# KiCad board traffic_paradise.kicad_pcb (continued)
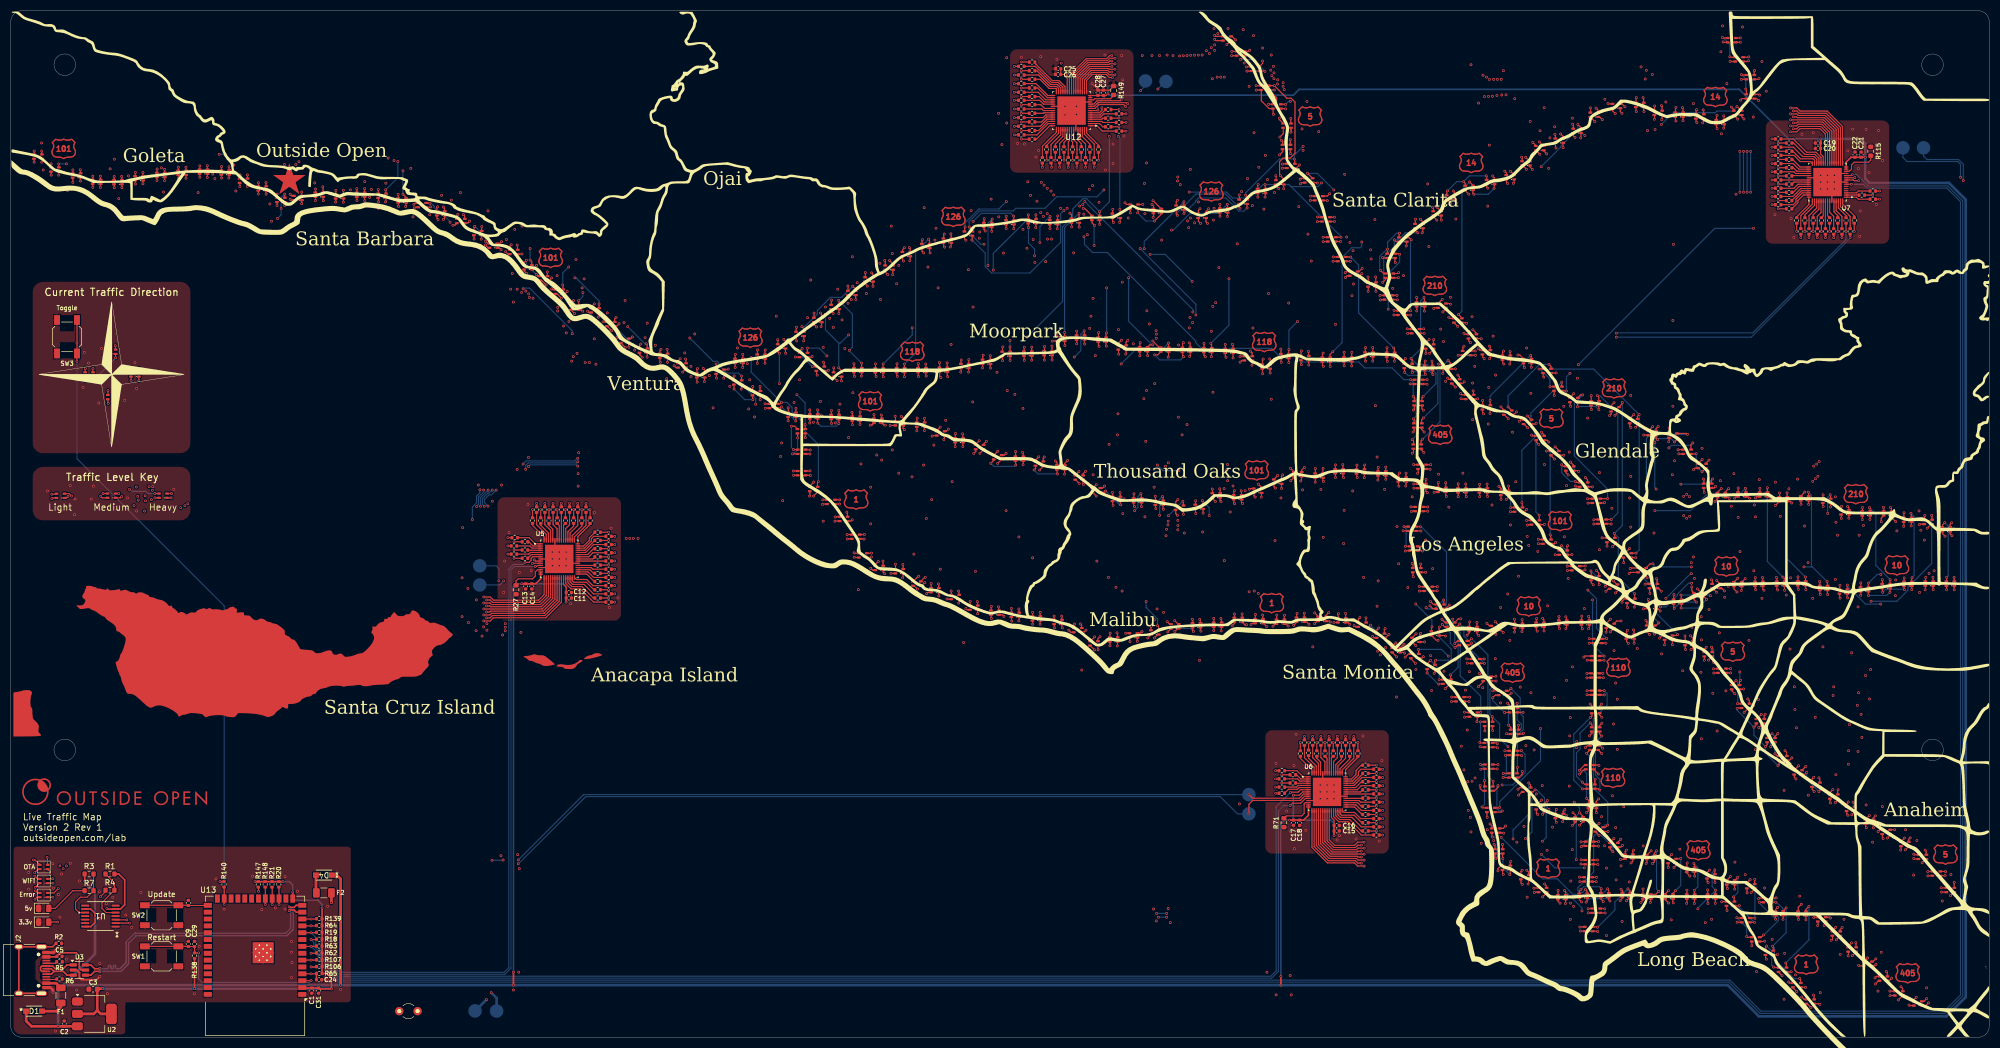
[diagram p0: board, top side]
## Routing (per net, layer and track width the routed paths; a pad name or vN(x,y) marks a point on that pad's centre or on a via; arc(x,y) is an arc through that point) (continued)
Net-(LED167-RK): length 180.5
  Top w0.203: 287.31,119.8 288.15,119.8 v1(288.18,119.78) ; 277.76,125.54 277.76,124.84 v1(277.7,124.78) ; v1(286.27,123.12) 286.25,123.1 285.28,123.1 ; v1(360.02,82.93) 360.01,82.94 360.01,83.68 ; R128.2 v1(341.5,149.36) ; 274.06,126.55 274.06,125.88 v1(273.95,125.78) ; 352.08,95.51 352.08,94.81 v1(352.05,94.78) ; v1(359.6,92.95) 359.25,93.3 359.25,93.74 ; 281.68,124.93 v1(281.68,124.18) ; v1(356.12,82.95) 356.1,82.98 356.1,83.68
  In1.Cu w0.203: v1(288.18,119.78) 287.74,119.78 286.27,121.24 v1(286.27,123.12) 282.73,123.12 v1(281.68,124.18) 281.07,124.78 v1(277.7,124.78) ; 359.42,83.53 356.71,83.53 v1(356.12,82.95) ; 359.42,83.53 v1(360.02,82.93) ; 359.42,83.53 359.42,92.77 v1(359.6,92.95) ; v1(288.84,123.06) 288.84,123.09 v1(290.4,124.65)
  In2.Cu w0.203: v1(273.95,125.78) 276.7,125.78 v1(277.7,124.78) ; v1(359.6,92.95) 359.09,93.46 353.37,93.46 v1(352.05,94.78) 352.51,95.24 352.51,97.31 350.36,99.46 346.46,99.46 338.72,107.2 338.72,111 338.71,111.01 338.71,145.46 341.5,148.25 v1(341.5,149.36) 340.94,149.92 v1(322.82,149.92)
  Bottom w0.203: v1(288.84,123.06) 288.18,122.39 v1(288.18,119.78) ; v1(322.82,149.92) 315.67,149.92 v1(290.4,124.65)
Net-(LED177-BK): length 139.3
  Top w0.203: v1(258.32,90.98) 258.33,90.98 259.19,90.98 ; 268.39,73.45 267.98,73.45 v1(267.5,72.98) ; v1(269.73,70.12) 269.75,70.1 270.67,70.1 ; 260.21,98.3 259.38,98.3 v1(259.38,98.3) ; v1(265.12,77.48) 265.74,76.86 266.05,76.86 ; v1(263,80.75) 263.54,80.21 264.07,80.21 ; v1(259.6,87.83) 259.75,87.67 259.75,86.97 ; 258.89,94.64 258.09,94.64 v1(258.07,94.65) ; v1(260.93,83.55) 260.96,83.51 261.88,83.51 ; R74.2 v1(234.31,47.88)
  In1.Cu w0.203: v1(269.73,70.12) 269.73,70.83 267.58,72.98 v1(267.5,72.98) ; v1(265.12,77.48) 265.12,78.62 v1(263,80.75) 263,81.48 v1(260.93,83.55) 260.93,86.5 v1(259.6,87.83) 259.6,89.7 v1(258.32,90.98) ; v1(259.38,98.3) 258.07,97 v1(258.07,94.65)
  In2.Cu w0.203: v1(234.31,47.88) 233.8,47.88 233.58,47.66 218.63,47.66 214.75,51.54 214.75,71.03 217.47,73.75 217.47,80.42 218.61,81.56 258.94,81.56 v1(260.93,83.55)
  Bottom w0.203: v1(265.12,77.48) 265.12,77.37 267.5,74.99 v1(267.5,72.98) ; v1(258.07,94.65) 258.48,94.24 258.48,91.13 v1(258.32,90.98)
Net-(LED177-GK): length 140.1
  Top w0.203: v1(267.55,72.23) 267.98,72.65 268.39,72.65 ; v1(260.93,82.7) 260.94,82.71 261.88,82.71 ; v1(262.9,79.95) 263.44,79.41 264.07,79.41 ; v1(259.8,85.38) 259.75,85.42 259.75,86.17 ; v1(257.93,93.88) 257.96,93.84 258.89,93.84 ; v1(258.32,90.12) 258.38,90.18 259.19,90.18 ; v1(265.18,76.5) 265.62,76.06 266.05,76.06 ; 270.67,69.3 269.85,69.3 v1(269.82,69.33) ; v1(259.48,97.45) 259.52,97.5 260.21,97.5 ; R73.2 v1(235.46,48.65)
  In1.Cu w0.203: v1(267.55,72.23) 267.55,71.52 269.75,69.33 v1(269.82,69.33) ; v1(259.48,97.45) 259.48,95.25 258.1,93.88 v1(257.93,93.88) 257.74,93.69 257.74,90.71 v1(258.32,90.12) 258.32,86.85 v1(259.8,85.38) 259.8,83.83 v1(260.93,82.7) 260.93,81.93 v1(262.9,79.95) 262.9,78.78 v1(265.18,76.5)
  In2.Cu w0.203: v1(260.93,82.7) 259.42,81.2 218.95,81.2 217.84,80.09 217.84,73.6 215.12,70.88 215.12,51.69 218.78,48.03 233.18,48.03 233.79,48.65 v1(235.46,48.65)
  Bottom w0.203: v1(265.18,76.5) 266.67,75.01 266.67,73.03 267.48,72.23 v1(267.55,72.23)
Net-(LED177-RK): length 141
  Top w0.203: v1(266.48,80.1) 265.79,79.41 265.47,79.41 ; v1(261.52,90.12) 261.47,90.18 260.59,90.18 ; 269.79,72.65 270.2,72.65 v1(270.62,73.08) ; R72.2 v1(234.31,49.41) ; 263.29,82.71 264.21,82.71 v1(264.25,82.75) ; v1(261.23,93.83) 261.21,93.84 260.29,93.84 ; v1(262.5,97.5) 262.5,97.5 261.61,97.5 ; v1(272.98,69.3) 272.97,69.3 272.07,69.3 ; v1(262.1,86.18) 262.09,86.17 261.15,86.17 ; v1(268.43,76.6) 267.88,76.06 267.45,76.06
  In1.Cu w0.203: v1(266.48,80.1) 266.48,78.92 268.43,76.97 v1(268.43,76.6) ; v1(264.25,82.75) 262.1,84.9 v1(262.1,86.18) 262.1,89.55 v1(261.52,90.12) 261.03,90.62 261.03,93.63 v1(261.23,93.83) 262.5,95.1 v1(262.5,97.5)
  In2.Cu w0.203: v1(264.25,82.75) 263.64,82.14 263.64,81.26 ; 263.64,81.26 264.49,81.26 265.65,80.1 v1(266.48,80.1) ; 263.64,81.26 262.79,81.26 262.49,80.96 262.49,80.83 219.28,80.83 218.2,79.75 218.2,73.45 215.48,70.73 215.48,51.84 218.93,48.39 232.78,48.39 233.79,49.41 v1(234.31,49.41)
  Bottom w0.203: v1(272.98,69.3) 270.62,71.65 v1(270.62,73.08) 270.45,73.08 269.2,74.32 269.2,75.83 v1(268.43,76.6)
Net-(LED186-BK): length 195.1
  Top w0.203: 292.9,57.45 292.9,57.95 v1(292.6,58.25) ; v1(292.57,61.75) 292.9,61.43 292.9,60.85 ; v1(291.12,47.28) 291.55,46.85 292,46.85 ; 354.49,95.91 354.49,96.62 v1(354.58,96.7) ; v1(272.05,67.4) 272.6,66.85 272.81,66.85 ; 275.65,64.21 274.55,64.21 v1(274.55,64.21) ; v1(277.45,57.85) 277.89,57.41 277.89,57 ; 259.6,74.05 v1(260.32,74.78) ; 277.68,61.01 277.68,61.49 v1(277.27,61.9) ; R60.2 v1(245.75,55.76)
  In1.Cu w0.203: v1(354.58,96.7) 355.15,97.28 357.1,97.28 358.84,95.54 358.84,94.72 351.61,87.49 351.61,75.22 v1(344.53,68.14) ; v1(292.6,58.25) 293.16,58.81 293.16,61.16 v1(292.57,61.75) ; v1(260.32,74.78) 260.99,75.44 269.72,75.44 271.71,73.44 271.72,73.44 271.72,67.73 v1(272.05,67.4) 272.05,66.98 274.55,64.48 v1(274.55,64.21) 274.96,64.21 v1(277.27,61.9)
  In2.Cu w0.203: v1(245.75,55.76) 245.35,56.16 245.35,65.62 249.99,70.27 254.7,70.27 259.21,74.78 v1(260.32,74.78) ; v1(277.27,61.9) 278.09,61.9 278.61,62.42 291.9,62.42 v1(292.57,61.75) 293.14,61.19 317.68,61.19 320.24,63.75 321.08,63.75 325.48,68.14 v1(344.53,68.14)
  Bottom w0.203: v1(292.6,58.25) 290.71,56.36 290.71,53.41 290.04,52.74 290.04,48.36 v1(291.12,47.28) ; v1(277.45,57.85) 277.45,61.73 v1(277.27,61.9)
Net-(LED186-GK): length 186.5
  Top w0.203: v1(292.62,59.25) 292.9,59.53 292.9,60.05 ; 272.81,66.05 272.81,65.91 v1(271.87,64.97) ; v1(292.43,55.85) 292.9,56.33 292.9,56.65 ; 354.49,95.11 353.66,95.11 v1(353.55,95) ; 275.65,63.41 275.01,63.41 v1(274.52,62.92) ; v1(276.75,60.18) 276.78,60.21 277.68,60.21 ; R59.2 v1(246.51,54.61) ; 259.6,73.25 259.62,73.25 v1(260.27,72.6) ; 277.89,56.2 277.16,56.2 v1(277.1,56.25) ; v1(291.15,46.03) 291.18,46.05 292,46.05
  In1.Cu w0.203: v1(292.62,59.25) 292.07,58.7 292.07,57.34 292.43,56.98 v1(292.43,55.85) ; v1(277.1,56.25) 276.75,56.6 v1(276.75,60.18) ; v1(260.27,72.6) 261.95,72.6 265.13,69.42 266.39,69.42 270.84,64.97 v1(271.87,64.97) 271.87,64.23 273.18,62.92 v1(274.52,62.92) ; v1(337.58,63.35) 347.5,73.26 347.5,88.95 v1(353.55,95)
  In2.Cu w0.203: v1(260.27,72.6) 259.82,72.15 257.1,72.15 254.85,69.9 250.14,69.9 245.71,65.47 245.71,56.68 246.51,55.88 v1(246.51,54.61) ; v1(337.58,63.35) 320.61,63.35 317.76,60.5 293.88,60.5 v1(292.62,59.25) 291.15,60.72 277.3,60.72 v1(276.75,60.18)
  Bottom w0.203: v1(292.62,59.25) 289.54,56.16 289.54,47.64 v1(291.15,46.03) ; v1(274.52,62.92) 274.52,62.4 v1(276.75,60.18)
Net-(LED186-RK): length 182.2
  Top w0.203: 277.05,63.41 277.58,63.41 v1(277.95,63.78) ; v1(294.75,59.3) 294.3,59.75 294.3,60.05 ; v1(275.15,66.03) 275.12,66.05 274.21,66.05 ; v1(261.9,73.28) 261.88,73.25 261,73.25 ; 294.3,56.65 294.3,56.25 v1(294.73,55.83) ; R58.2 v1(247.27,55.76) ; 279.29,56.2 280.07,56.2 v1(280.23,56.35) ; 279.08,60.21 280.14,60.21 v1(280.15,60.2) ; v1(294.38,45.8) 294.12,46.05 293.4,46.05 ; 355.89,95.11 355.78,95.11 v1(355.02,94.35)
  In1.Cu w0.203: v1(294.73,55.83) 295.28,56.38 295.28,58.77 v1(294.75,59.3) ; v1(280.23,56.35) 280.15,56.43 v1(280.15,60.2) 280.15,61.58 v1(277.95,63.78) 277.4,63.78 v1(275.15,66.03) ; v1(334.27,59.3) 349.86,74.89 349.86,89.18 v1(355.02,94.35) ; v1(270.69,66.03) 266.8,69.91 265.26,69.91 v1(261.9,73.28)
  In2.Cu w0.203: v1(280.15,60.2) 282.62,57.73 293.18,57.73 v1(294.75,59.3) v1(334.27,59.3) ; v1(275.15,66.03) v1(270.69,66.03) ; v1(261.9,73.28) 261.9,72.25 259.19,69.54 250.29,69.54 246.07,65.32 246.07,56.95 v1(247.27,55.76)
  Bottom w0.203: v1(294.73,55.83) 293.54,54.64 293.54,48.61 294.38,47.78 v1(294.38,45.8)
Net-(LED190-BK): length 80.1
  Top w0.203: 262.39,69.03 262.39,69.25 v1(263,69.85) ; v1(272.12,54.65) 272.22,54.56 273.06,54.56 ; 267.78,63.04 266.94,63.04 v1(266.93,63.05) ; v1(272.27,50.58) 272.31,50.54 273.11,50.54 ; v1(269.3,60.25) 269.35,60.2 270.27,60.2 ; 273.47,42.52 272.71,42.52 v1(272.55,42.68) ; 273.11,46.48 273,46.59 v1(273,47.55) ; 265.34,66.29 264.64,66.29 v1(264.6,66.25) ; v1(243.46,54.61) R77.2 ; v1(272.26,58.45) 272.28,58.47 273.06,58.47
  In1.Cu w0.203: v1(272.27,50.58) 271.68,51.17 271.68,54.21 v1(272.12,54.65) ; v1(254.7,72.24) 254.7,71.11 258.34,67.48 261.53,67.48 263,68.95 v1(263,69.85) ; v1(269.3,60.25) 269.3,60.68 v1(266.93,63.05) 266.57,63.05 265.05,64.57 265.05,65.8 v1(264.6,66.25)
  In2.Cu w0.203: v1(254.7,72.24) 254.69,72.25 250.43,72.25 244.25,66.07 244.25,58.73 244.26,58.73 244.26,56.6 243.46,55.8 v1(243.46,54.61) ; v1(272.26,58.45) 272.26,58.61 270.62,60.25 v1(269.3,60.25)
  Bottom w0.203: v1(264.6,66.25) 264.6,68.25 v1(263,69.85) ; v1(272.26,58.45) 272.26,54.78 v1(272.12,54.65) ; v1(272.27,50.58) 273,49.85 v1(273,47.55) 273,43.13 v1(272.55,42.68)
Net-(LED190-GK): length 75.3
  Top w0.203: 273.06,53.76 272.29,53.76 v1(272.2,53.85) ; v1(264.52,65.45) 264.57,65.49 265.34,65.49 ; v1(266.9,62.2) 266.94,62.24 267.78,62.24 ; R76.2 v1(244.22,55.76) ; 273.11,45.68 272.64,45.68 272.2,46.12 v1(272.2,46.65) ; 273.47,41.72 273.47,40.78 v1(273.5,40.75) ; 262.39,68.23 262.39,67.52 v1(262.38,67.5) ; v1(273.07,56.78) 273.06,56.79 273.06,57.67 ; v1(269.32,59.33) 269.4,59.4 270.27,59.4 ; v1(272.32,49.68) 272.39,49.74 273.11,49.74
  In1.Cu w0.203: 272.32,46.65 273.5,45.48 v1(273.5,40.75) ; 272.32,46.65 v1(272.2,46.65) ; 272.32,46.65 v1(272.32,49.68) 272.84,50.19 272.84,53.85 ; v1(269.32,59.33) 266.9,61.75 v1(266.9,62.2) 264.52,64.58 v1(264.52,65.45) ; 262.48,67.5 v1(262.38,67.5) 261.99,67.11 258.19,67.11 253.75,71.55 v1(253.2,71.55) ; 272.84,53.85 v1(272.2,53.85) ; 272.84,53.85 273.07,54.09 v1(273.07,56.78)
  In2.Cu w0.203: v1(273.07,56.78) 271.88,56.78 v1(269.32,59.33) ; v1(253.2,71.55) 250.25,71.55 244.61,65.92 244.61,58.88 244.62,58.88 244.62,56.16 v1(244.22,55.76)
  Bottom w0.203: v1(262.38,67.5) 264.43,65.45 v1(264.52,65.45)
Net-(LED190-RK): length 79.8
  Top w0.203: 274.51,49.74 275.33,49.74 v1(275.35,49.73) ; v1(263.68,67.45) 263.79,67.57 263.79,68.23 ; 274.46,53.76 275.27,53.76 v1(275.4,53.63) ; v1(275.5,46.65) 275.5,46.33 274.85,45.68 274.51,45.68 ; v1(244.98,54.61) R75.2 ; 271.67,59.4 271.67,58.57 v1(271.6,58.5) ; v1(276.3,41.95) 276.07,41.72 274.87,41.72 ; v1(265.73,64.62) 266.59,65.49 266.74,65.49 ; v1(270.12,62.2) 270.09,62.24 269.18,62.24 ; v1(274.52,56.85) 274.46,56.91 274.46,57.67
  In1.Cu w0.203: v1(253.71,70.86) 253.92,70.86 258.04,66.75 262.98,66.75 v1(263.68,67.45) 264.13,67.45 265.73,65.86 v1(265.73,64.62) 267.7,64.62 v1(270.12,62.2) 271.6,60.73 v1(271.6,58.5) 271.6,58.34 272.14,57.81 273.57,57.81 v1(274.52,56.85) 274.52,54.38 275.28,53.63 ; 275.28,53.63 274.95,53.3 274.95,50.12 v1(275.35,49.73) 275.35,46.8 v1(275.5,46.65) ; 275.28,53.63 v1(275.4,53.63)
  In2.Cu w0.203: v1(244.98,54.61) 245.61,55.25 245.53,55.25 244.98,55.8 244.98,65.77 250.07,70.86 v1(253.71,70.86)
  Bottom w0.203: v1(276.3,41.95) 275.7,41.95 275.31,42.34 275.31,46.45 v1(275.5,46.65)
Net-(LED199-BK): length 107
  Top w0.203: 286.62,26.36 v1(286.62,27.23) ; v1(282.15,27.62) 282.21,27.68 283.07,27.68 ; v1(275.5,30.85) 275.5,31.25 276.05,31.8 276.36,31.8 ; 298.56,26.77 298.56,27.16 v1(298.3,27.43) ; 294.6,26.72 294.6,27.5 v1(294.62,27.53) ; v1(279.98,30.95) 279.77,30.74 279.77,30.07 ; 274.94,34.85 274.94,35.58 v1(274.77,35.75) ; R80.2 v1(248.03,54.61) ; 290.59,26.62 290.59,27.09 v1(290.88,27.38) ; 274.38,38.71 274.38,39.17 v1(274.02,39.53)
  In1.Cu w0.203: 279.27,30.95 282.15,28.07 v1(282.15,27.62) ; 279.27,30.95 275.6,30.95 ; 279.27,30.95 v1(279.98,30.95) ; 274.01,39.53 272.43,39.53 271.37,40.58 271.37,47.93 v1(271.26,48.05) ; 274.01,39.53 274.1,39.44 274.1,37.85 273.95,37.69 273.95,36.46 274.66,35.75 v1(274.77,35.75) 275.68,34.85 275.68,31.03 275.6,30.95 ; 274.01,39.53 v1(274.02,39.53) ; 275.6,30.95 v1(275.5,30.85) ; v1(290.88,27.38) 290.16,26.66 287.19,26.66 v1(286.62,27.23)
  In2.Cu w0.203: v1(298.3,27.43) 297.84,26.96 295.19,26.96 v1(294.62,27.53) ; v1(282.15,27.62) 286.23,27.62 v1(286.62,27.23) ; v1(248.03,54.61) 248.03,55.73 246.44,57.33 246.44,65.11 250.5,69.18 256.4,69.18 271.26,54.32 v1(271.26,48.05)
  Bottom w0.203: v1(294.62,27.53) 294.26,27.89 291.39,27.89 v1(290.88,27.38)
Net-(LED199-GK): length 104.6
  Top w0.203: 283.07,26.88 282.28,26.88 v1(282.23,26.83) ; 286.62,25.56 286.62,25.23 v1(287,24.85) ; v1(275.1,33.13) 274.94,33.28 274.94,34.05 ; 279.77,29.27 279.77,28.58 v1(280,28.35) ; v1(276.48,30.18) 276.36,30.29 276.36,31 ; 290.59,25.82 290.59,25.46 v1(290.98,25.08) ; R79.2 v1(248.79,55.76) ; 274.38,37.91 274.38,37.19 v1(274.48,37.1) ; 294.6,25.92 294.6,25.55 v1(295,25.15) ; 298.56,25.97 298.56,25.74 v1(298.12,25.3)
  In1.Cu w0.203: v1(275.1,33.13) 274.97,32.99 274.97,30.6 275.39,30.18 v1(276.48,30.18) 278.3,28.35 v1(280,28.35) 281.52,26.83 v1(282.23,26.83) 285.02,26.83 v1(287,24.85) ; v1(270.39,40.75) 271.01,41.37 271.01,47.14 v1(270.7,47.45) ; v1(295,25.15) 295.47,24.68 297.51,24.68 v1(298.12,25.3)
  In2.Cu w0.203: v1(274.48,37.1) 273.05,37.1 270.39,39.76 v1(270.39,40.75) ; v1(287,24.85) 287.57,25.42 290.63,25.42 v1(290.98,25.08) 291.55,24.5 294.35,24.5 v1(295,25.15) ; v1(248.79,55.76) 248.67,55.76 246.8,57.63 246.8,64.96 247.84,66.01 250.65,68.81 256.25,68.81 257.76,67.31 270.7,54.36 v1(270.7,47.45)
  Bottom w0.203: v1(274.48,37.1) 274.86,37.1 275.32,36.64 275.32,33.34 v1(275.1,33.13)
Net-(LED199-RK): length 108.7
  Top w0.203: v1(276.4,33.13) 276.34,33.18 276.34,34.05 ; v1(283.77,26) 284.47,26.69 284.47,26.88 ; v1(296.25,25.25) 296,25.5 296,25.92 ; 275.78,37.91 276.49,37.91 v1(276.57,37.83) ; 277.76,31 277.76,30.19 v1(277.7,30.12) ; R78.2 v1(249.56,54.61) ; 288.02,25.56 288.02,24.83 v1(287.98,24.78) ; v1(299.3,25.3) 299.96,25.96 299.96,25.97 ; v1(281.07,28.4) 281.17,28.49 281.17,29.27 ; v1(291.82,25.05) 291.99,25.21 291.99,25.82
  In1.Cu w0.203: v1(283.77,26) 285.47,24.3 287.5,24.3 v1(287.98,24.78) 289.03,23.72 290.49,23.72 v1(291.82,25.05) ; v1(296.25,25.25) 296.88,25.88 298.73,25.88 v1(299.3,25.3) ; v1(270,42.05) 270.64,42.69 270.64,46.61 v1(269.9,47.35) ; v1(281.07,28.4) 279.35,30.12 v1(277.7,30.12)
  In2.Cu w0.203: v1(269.9,47.35) 269.9,47.95 270.1,48.15 270.1,54.45 256.1,68.45 250.8,68.45 247.16,64.81 247.16,58.11 249.56,55.72 v1(249.56,54.61) ; v1(283.77,26) 282.31,26 281.07,27.24 v1(281.07,28.4) ; v1(276.4,33.13) 276.84,33.56 276.84,37.56 v1(276.57,37.83) 276.4,37.65 273.01,37.65 270.9,39.76 270.9,41.15 v1(270,42.05)
  Bottom w0.203: v1(276.4,33.13) 276.4,31.43 v1(277.7,30.12) ; v1(296.25,25.25) 295.82,25.68 292.45,25.68 v1(291.82,25.05)
Net-(LED208-BK): length 70.8
  Top w0.203: v1(283.57,43.95) 282.65,43.03 282.61,43.03 ; 296.28,36.02 296.28,36.13 v1(296.98,36.83) ; v1(294.23,39.65) 293.53,38.96 293.53,38.91 ; 251.46,50.42 v1(252.98,50.42) ; 277.58,48.92 276.52,48.92 v1(276.48,48.88) ; v1(286.3,42.23) 286.17,42.09 286.17,41.4 ; 280.12,46.28 279.53,46.28 v1(279.2,45.95) ; 299.07,33.88 299.07,34.45 v1(299.3,34.68) ; 289.82,40.79 289.82,41.18 v1(289.4,41.6) ; v1(276.77,53.1) 276.79,53.08 277.63,53.08
  In1.Cu w0.203: v1(299.3,34.68) 298.67,34.68 296.98,36.37 v1(296.98,36.83) ; v1(276.77,53.1) 276.35,52.68 276.35,49 v1(276.48,48.88) 276.48,48.85 276.96,48.36 276.96,47.75 278.76,45.95 v1(279.2,45.95) 281.2,43.95 v1(283.57,43.95) 284.79,42.74 285.79,42.74 v1(286.3,42.23) 286.93,41.6 v1(289.4,41.6)
  In2.Cu w0.203: v1(276.48,48.88) 273.09,48.88 271.05,46.83 257.68,46.83 254.09,50.42 v1(252.98,50.42) ; v1(289.4,41.6) 291.35,39.65 v1(294.23,39.65) 294.23,39.07 296.47,36.83 v1(296.98,36.83)
Net-(LED208-GK): length 67.2
  Top w0.203: 296.28,35.22 296.28,34.9 v1(296.8,34.38) ; v1(276.9,52.23) 276.96,52.28 277.63,52.28 ; v1(298.2,32.95) 298.93,32.95 299.06,33.08 299.07,33.08 ; v1(294.23,37.4) 293.53,38.09 293.53,38.11 ; 289.82,39.99 289.82,39.8 v1(289.3,39.28) ; v1(282.85,41.3) 282.61,41.54 282.61,42.23 ; v1(276.45,48.15) 276.48,48.12 277.58,48.12 ; v1(286.3,39.85) 286.17,39.98 286.17,40.6 ; 280.12,45.48 279.93,45.48 v1(279.32,44.88) ; R82.2 v1(254.13,49.66)
  In1.Cu w0.203: v1(296.8,34.38) 296.8,34.35 v1(298.2,32.95) ; v1(276.45,48.15) 276.45,47.75 v1(279.32,44.88) 279.32,44.83 v1(282.85,41.3)
  In2.Cu w0.203: v1(276.45,48.15) 276.09,48.51 273.24,48.51 271.2,46.47 257.32,46.47 v1(254.13,49.66) ; v1(294.23,37.4) 291.18,37.4 v1(289.3,39.28) 286.88,39.28 v1(286.3,39.85) 284.3,39.85 v1(282.85,41.3)
  Bottom w0.203: v1(276.9,52.23) 277.05,52.07 277.05,48.68 276.53,48.15 v1(276.45,48.15) ; v1(296.8,34.38) 296.8,35.24 294.64,37.4 v1(294.23,37.4)
Net-(LED208-RK): length 79
  Top w0.203: 300.47,33.08 300.47,32.62 v1(300.15,32.3) ; v1(282.38,45.85) 282,45.48 281.52,45.48 ; v1(287.48,39.95) 287.57,40.04 287.57,40.6 ; 297.68,35.22 298.24,35.22 v1(298.57,35.55) ; v1(283.77,41.33) 284.01,41.56 284.01,42.23 ; 279.03,52.28 279.79,52.28 v1(279.9,52.18) ; 278.98,48.12 279.34,48.12 280,48.78 v1(280,49.25) ; 291.23,39.99 291.23,39.93 v1(290.6,39.3) ; 251.46,48.9 v1(252.98,48.9) ; 294.93,38.11 295.88,38.11 v1(295.9,38.13)
  In1.Cu w0.203: v1(300.15,32.3) 299.81,32.64 299.81,34.89 299.15,35.55 v1(298.57,35.55) 297.67,36.45 297.67,36.9 296.44,38.13 v1(295.9,38.13) ; v1(279.9,52.18) 280,52.08 v1(280,49.25) 280.8,49.25 282.38,47.68 v1(282.38,45.85)
  In2.Cu w0.203: v1(283.77,41.33) 286.1,41.33 v1(287.48,39.95) 289.95,39.95 v1(290.6,39.3) 291.38,38.52 294.23,38.52 297.2,35.55 v1(298.57,35.55) ; v1(252.98,48.9) 254.09,48.9 256.88,46.11 276.36,46.11 279.5,49.25 v1(280,49.25)
  Bottom w0.203: v1(282.38,45.85) 282.65,45.85 284.11,44.39 284.11,42.64 283.77,42.3 v1(283.77,41.33)
Net-(LED217-BK): length 101.2
  Top w0.203: v1(318.58,29.8) 317.92,29.14 317.92,29.11 ; v1(314.68,30.98) 314.26,30.56 314.26,30.22 ; v1(327.33,24.08) 326.91,23.66 326.91,23.37 ; v1(307.68,33.88) 307.05,33.25 307.05,33.07 ; 331.13,23.31 331.13,24.08 v1(331.7,24.65) ; v1(303.88,34.55) 303.11,33.78 303.08,33.78 ; v1(310.55,32.3) 310.5,32.25 310.5,31.44 ; v1(322.2,29.2) 321.63,28.63 321.63,28.4 ; v1(323.77,25.7) 323.88,25.8 324.72,25.8 ; 251.46,45.85 v1(252.98,45.85)
  In1.Cu w0.203: v1(307.68,33.88) 309.25,32.3 v1(310.55,32.3) 311.88,30.98 v1(314.68,30.98) ; v1(327.33,24.08) 327.9,24.65 v1(331.7,24.65) ; v1(323.77,25.7) 323.77,27.62 v1(322.2,29.2)
  In2.Cu w0.203: 303.15,33.83 v1(303.88,34.55) ; 303.15,33.83 307.62,33.83 v1(307.68,33.88) ; 303.15,33.83 289.23,33.83 278.4,44.66 255.29,44.66 254.09,45.85 v1(252.98,45.85) ; v1(322.2,29.2) 322.09,29.09 319.29,29.09 v1(318.58,29.8) 315.85,29.8 v1(314.68,30.98) ; v1(323.77,25.7) 325.05,25.7 326.67,24.08 v1(327.33,24.08)
Net-(LED217-GK): length 95.1
  Top w0.203: v1(321.65,26.75) 321.63,26.77 321.63,27.59 ; v1(326.93,21.88) 326.91,21.89 326.91,22.57 ; R85.2 v1(254.13,45.09) ; 317.92,28.31 317.92,27.66 v1(318,27.58) ; 331.13,22.52 331.13,21.9 v1(331.18,21.85) ; 314.26,29.42 314.26,28.84 v1(314.43,28.68) ; 303.08,32.98 303.08,32.33 v1(302.95,32.2) ; v1(307.05,31.48) 307.05,31.48 307.05,32.27 ; v1(311.05,29.88) 310.5,30.42 310.5,30.64 ; v1(323.93,25.03) 323.95,25 324.72,25
  In1.Cu w0.203: v1(321.65,26.75) 321.65,26.75 323.38,25.03 v1(323.93,25.03) ; v1(307.05,31.48) 303.68,31.48 v1(302.95,32.2) ; v1(326.93,21.88) 327.48,22.43 330.6,22.43 v1(331.18,21.85)
  In2.Cu w0.203: v1(321.65,26.75) 318.83,26.75 v1(318,27.58) 317.69,27.89 315.21,27.89 v1(314.43,28.68) 312.25,28.68 v1(311.05,29.88) 308.65,29.88 v1(307.05,31.48) ; v1(302.95,32.2) 301.69,33.46 289.08,33.46 278.25,44.29 254.93,44.29 v1(254.13,45.09)
  Bottom w0.203: v1(326.93,21.88) 323.93,24.88 v1(323.93,25.03)
Net-(LED217-RK): length 101.4
  Top w0.203: 311.9,30.64 311.9,29.92 v1(311.95,29.88) ; v1(332.55,21.75) 332.53,21.77 332.53,22.52 ; 323.03,27.59 323.03,27.43 v1(322.4,26.8) ; v1(319.35,27.45) 319.32,27.48 319.32,28.31 ; 315.66,29.42 315.66,28.72 v1(315.7,28.68) ; v1(308.1,31.45) 308.45,31.8 308.45,32.27 ; v1(328.3,21.85) 328.31,21.86 328.31,22.57 ; v1(326.98,25) 326.97,25 326.12,25 ; 304.48,32.98 304.48,32.53 v1(304.15,32.2) ; 251.46,44.33 v1(252.98,44.33)
  In1.Cu w0.203: v1(328.3,21.85) 328.85,21.3 332.1,21.3 v1(332.55,21.75) ; v1(322.4,26.8) 321.75,27.45 v1(319.35,27.45) 318.12,28.68 v1(315.7,28.68)
  In2.Cu w0.203: v1(322.4,26.8) 325.18,26.8 v1(326.98,25) ; v1(252.98,44.33) 254.09,44.33 254.49,43.93 278.1,43.93 291.86,30.16 302.11,30.16 v1(304.15,32.2) 307.35,32.2 v1(308.1,31.45) 310.38,31.45 v1(311.95,29.88) 314.5,29.88 v1(315.7,28.68)
  Bottom w0.203: v1(328.3,21.85) 328.3,23.84 327.14,25 v1(326.98,25)
Net-(LED226-BK): length 103.2
  Top w0.203: v1(307.07,27.15) 306.49,26.56 306.49,26.46 ; v1(316.95,25.1) 316.99,25.14 317.87,25.14 ; v1(319.75,22.15) 319.8,22.1 320.71,22.1 ; 325.08,16.05 325.08,16.7 v1(325.27,16.9) ; v1(314.35,27.3) 314.36,27.29 314.36,26.46 ; v1(302.38,27.48) 302.37,27.47 302.37,26.46 ; 322.54,18.54 321.69,18.54 v1(321.58,18.65) ; 310.5,26.46 v1(310.5,27.25) ; 251.46,41.28 v1(252.98,41.28) ; v1(326.55,13) 326.65,12.9 327.52,12.9
  In1.Cu w0.203: v1(314.35,27.3) 313.91,27.74 310.99,27.74 v1(310.5,27.25) 309.86,26.61 307.61,26.61 v1(307.07,27.15) ; v1(319.75,22.15) 319.75,22.45 317.1,25.1 v1(316.95,25.1)
  In2.Cu w0.203: v1(321.58,18.65) 323.33,16.9 v1(325.27,16.9) ; 301.48,26.58 v1(302.38,27.48) ; 301.48,26.58 293.89,26.58 291.55,28.91 291.55,29.96 277.95,43.57 256.39,43.57 254.1,41.28 v1(252.98,41.28) ; 301.48,26.58 301.56,26.5 306.42,26.5 v1(307.07,27.15) ; v1(316.95,25.1) 316.55,25.1 v1(314.35,27.3)
  Bottom w0.203: v1(321.58,18.65) 321.58,20.33 v1(319.75,22.15) ; v1(326.55,13) 326.22,13.34 326.22,15.96 v1(325.27,16.9)
Net-(LED226-GK): length 101.2
  Top w0.203: v1(328.12,11.4) 327.52,12.01 327.52,12.1 ; 310.5,25.66 310.5,24.88 v1(310.45,24.83) ; v1(301.98,25) 302.37,25.4 302.37,25.66 ; 320.71,21.3 319.83,21.3 v1(319.8,21.33) ; v1(322.52,16.95) 322.54,16.97 322.54,17.74 ; v1(307.1,24.88) 306.49,25.49 306.49,25.66 ; 325.08,15.25 325.08,14.62 v1(325.23,14.48) ; v1(317.93,23.48) 317.87,23.53 317.87,24.34 ; 314.36,25.66 314.36,24.84 v1(314.4,24.8) ; R88.2 v1(254.13,40.52)
  In1.Cu w0.203: v1(317.93,23.48) 317.93,23.2 v1(319.8,21.33) 322.52,18.6 v1(322.52,16.95) 325,14.48 v1(325.23,14.48) 325.88,14.48 328.12,12.23 v1(328.12,11.4) ; v1(307.1,24.88) 307.63,24.35 309.97,24.35 v1(310.45,24.83) 310.97,25.35 313.85,25.35 v1(314.4,24.8)
  In2.Cu w0.203: v1(314.4,24.8) 315.73,23.48 v1(317.93,23.48) ; v1(307.1,24.88) 306.11,25.86 301.11,25.86 ; 301.11,25.86 300.76,26.21 293.74,26.21 291.19,28.76 291.19,29.81 277.8,43.2 256.81,43.2 v1(254.13,40.52) ; 301.11,25.86 v1(301.98,25)
Net-(LED226-RK): length 105.7
  Top w0.203: v1(315.75,24.83) 315.76,24.84 315.76,25.66 ; v1(303.73,25) 303.77,25.05 303.77,25.66 ; 326.48,15.25 327.23,15.25 v1(327.3,15.33) ; v1(307.98,24.9) 307.89,24.99 307.89,25.66 ; v1(320.2,24.4) 320.14,24.34 319.27,24.34 ; v1(311.88,24.8) 311.9,24.83 311.9,25.66 ; v1(323.02,21.28) 323,21.3 322.11,21.3 ; v1(324.93,17.8) 324.87,17.74 323.94,17.74 ; 251.46,39.76 v1(252.98,39.76) ; v1(329.83,12.12) 329.8,12.1 328.92,12.1
  In1.Cu w0.203: v1(329.83,12.12) 329.63,12.12 327.3,14.45 v1(327.3,15.33) 327.1,15.33 325.85,16.58 325.85,17.14 325.19,17.8 v1(324.93,17.8) 323.02,19.7 v1(323.02,21.28)
  In2.Cu w0.203: v1(252.98,39.76) 254.11,39.76 257.19,42.84 270.71,42.84 272.2,41.35 276.8,41.35 288.04,30.11 288.04,27.69 289.87,25.85 299.47,25.85 300.87,24.45 303.18,24.45 ; 303.18,24.45 303.33,24.29 307.24,24.29 307.82,24.87 307.95,24.87 v1(307.98,24.9) 308.61,24.27 311.34,24.27 v1(311.88,24.8) 312.39,25.32 315.26,25.32 v1(315.75,24.83) 316.18,24.4 v1(320.2,24.4) ; 303.18,24.45 v1(303.73,25)
  Bottom w0.203: v1(323.02,21.28) 320.2,24.1 v1(320.2,24.4)
Net-(LED235-BK): length 130.7
  Top w0.203: v1(287.3,106.12) 287.61,105.81 288.1,105.81 ; v1(289.8,103.03) 290.01,102.82 290.69,102.82 ; 272.66,117.14 272.66,117.98 v1(272.68,118) ; v1(276.05,116.83) 276.62,116.26 276.62,116.18 ; 280.27,114.45 279.73,114.45 v1(279.45,114.18) ; v1(266.15,122.18) 266.36,121.97 266.97,121.97 ; 282.61,111.45 281.87,111.45 v1(281.73,111.6) ; 285.35,108.66 284.48,108.66 v1(284.48,108.65) ; 269.56,119.07 268.8,119.07 v1(268.57,119.3) ; R101.2 v1(326.26,166.5)
  In1.Cu w0.203: v1(276.05,116.83) 278.7,114.18 v1(279.45,114.18) 279.45,114.17 280.54,114.17 281.73,112.99 v1(281.73,111.6) 282.1,111.6 284.48,109.23 v1(284.48,108.65) 285.31,108.65 287.3,106.66 v1(287.3,106.12) ; v1(268.57,119.3) 268.06,119.3 266.51,120.85 266.51,121.81 v1(266.15,122.18)
  In2.Cu w0.203: v1(276.05,116.83) 273.85,116.83 v1(272.68,118) 272.68,118.14 271.89,118.93 268.94,118.93 v1(268.57,119.3) ; v1(279.45,114.18) 281.71,114.18 285.94,118.4 294.38,118.4 299.78,123.79 299.78,155.63 307.46,163.31 311.05,163.31 311.05,163.31 323.07,163.31 v1(326.26,166.5)
  Bottom w0.203: v1(289.8,103.03) 288.9,103.03 287.3,104.63 v1(287.3,106.12)
Net-(LED235-GK): length 129.9
  Top w0.203: 272.66,116.34 272.66,115.72 v1(272.82,115.55) ; v1(268.65,118.35) 268.73,118.27 269.56,118.27 ; v1(277.4,114.65) 276.67,115.38 276.62,115.38 ; v1(281,112.95) 280.3,113.65 280.27,113.65 ; R100.2 v1(327.41,165.74) ; 282.61,110.65 282.61,110.31 v1(283.05,109.88) ; 290.69,102.02 289.98,102.02 v1(289.82,102.18) ; 285.36,107.86 285.36,107.8 v1(286,107.15) ; 288.1,105.01 288.1,104.63 v1(288.5,104.23) ; v1(267.6,120.5) 266.97,121.13 266.97,121.17